# Altium PCB MainBoard.PcbDoc
Units mil, origin at the board's own origin, x right, y up, seen from the top; angles counter-clockwise.
Board outline 10491 x 7364.35 mil, 2 copper layers (Top Layer, Bottom Layer); 45 components, 90 nets, 435 pads, 0 vias.
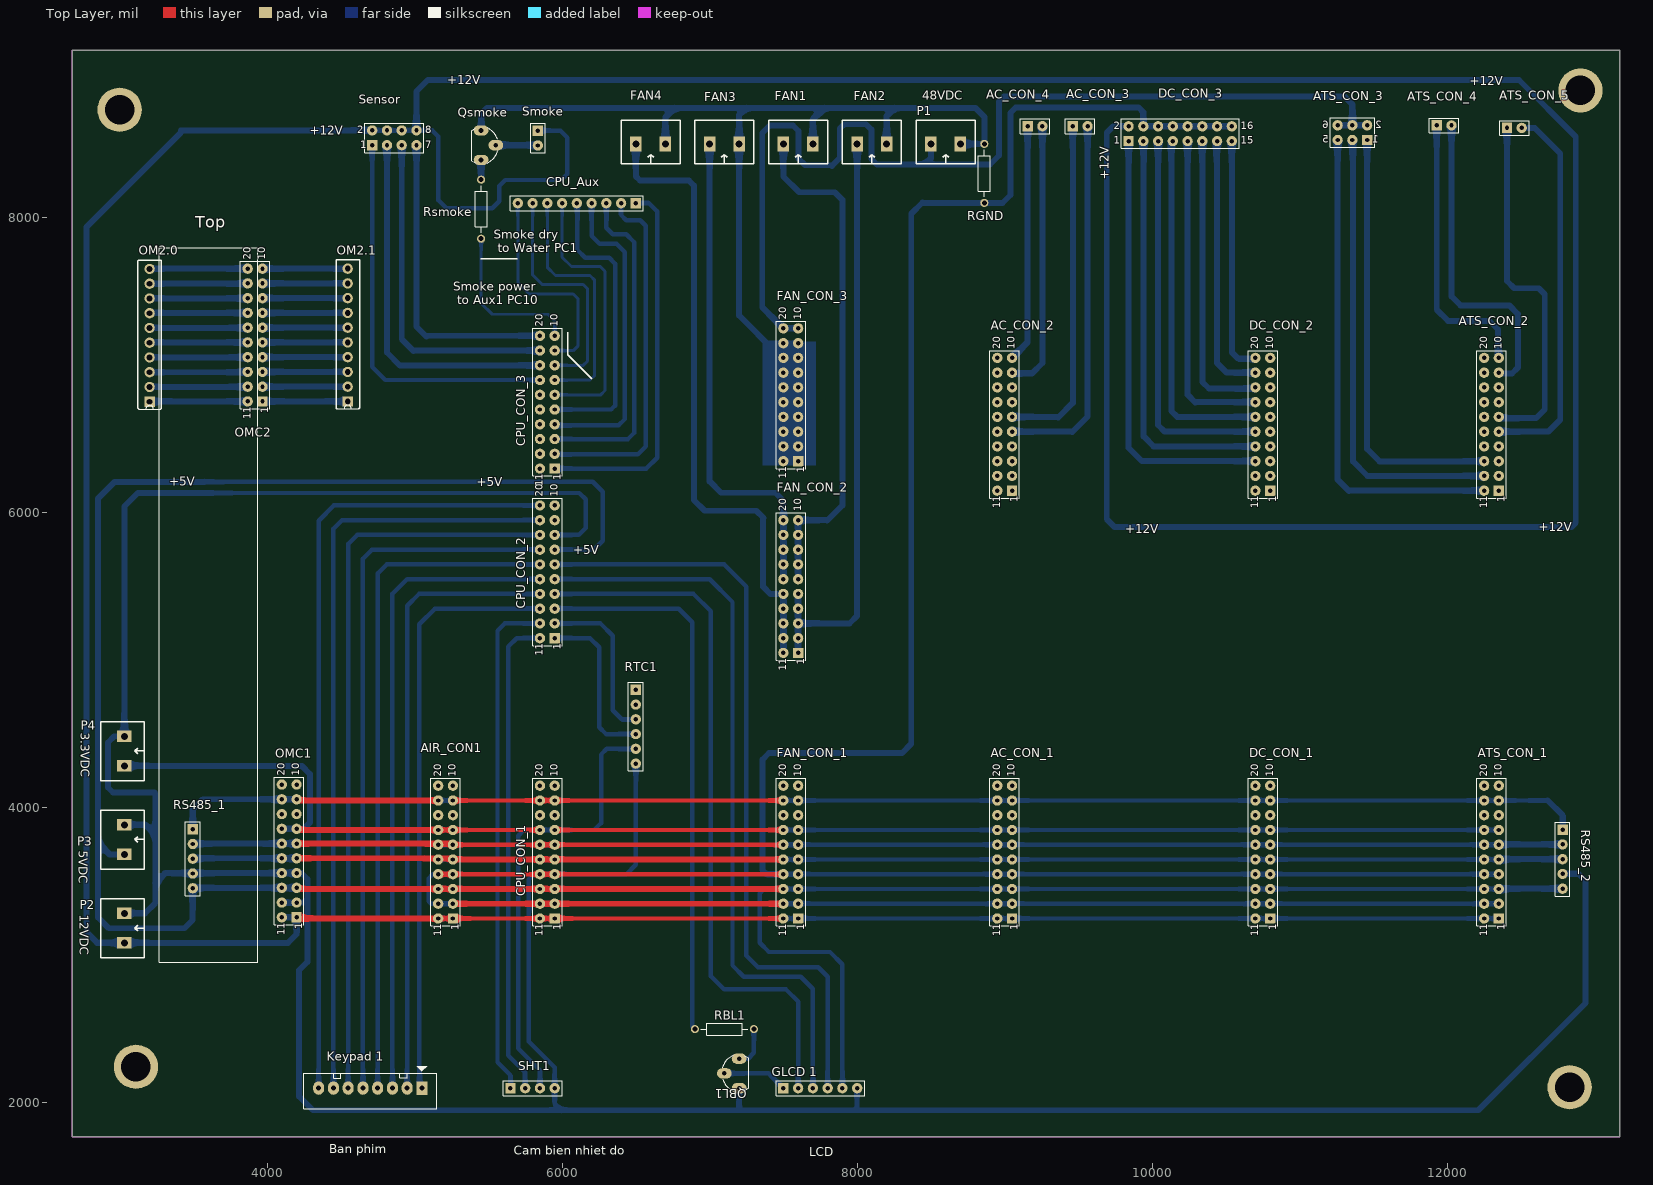
[diagram p0: Top Layer view]
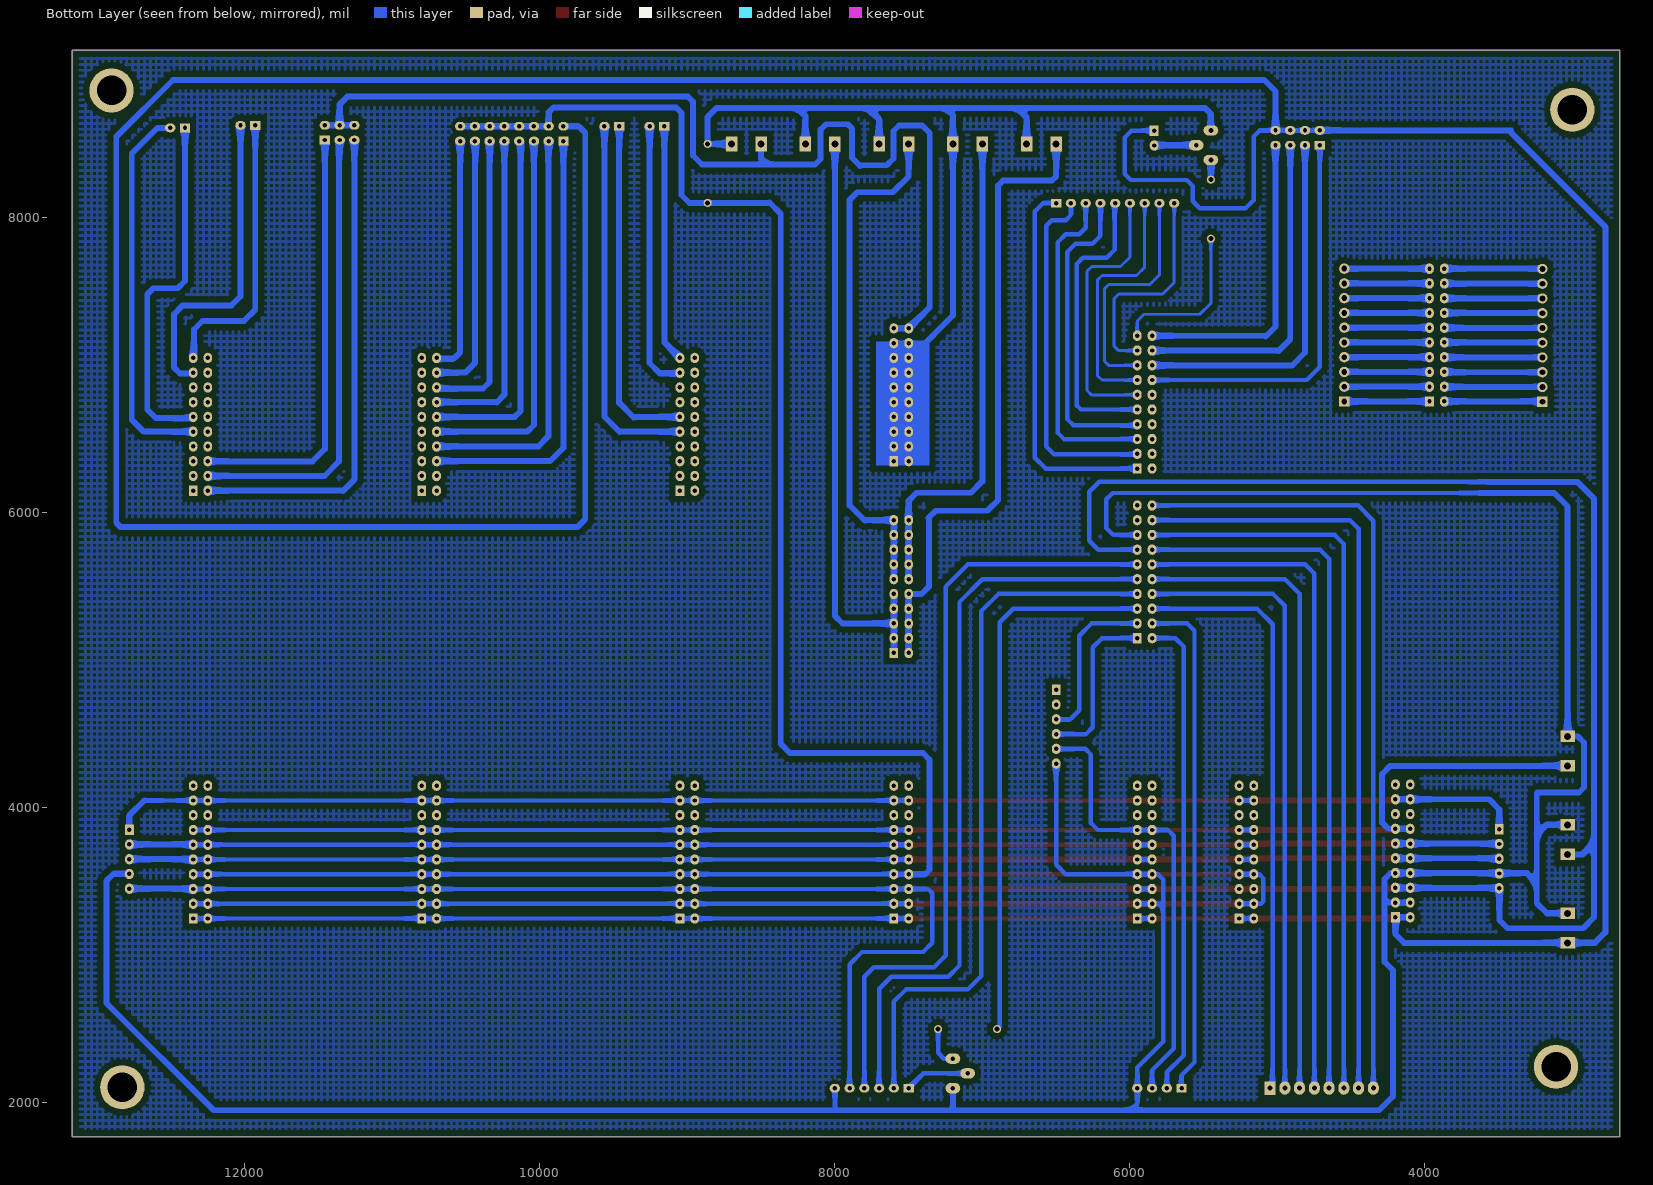
[diagram p1: Bottom Layer view, seen from below]

## Layer stack, top to bottom
Top Solder: solder mask 0.4, Solder Resist, Dk 3.5
Top Layer: signal copper 1.4
Dielectric 1: dielectric 12.6, FR-4, Dk 4.8
Bottom Layer: signal copper 1.4
Bottom Solder: solder mask 0.4, Solder Resist, Dk 3.5

## Board outline
2679,1771.65 13170,1771.65 13170,9136 2679,9136

## Design rules (kind name [scope] priority, off if disabled: settings)
Clearance Clearance_2 [All vs HasPad('FID*')] p1: gap=100
Clearance Clearance_7 [InNet('GND') vs InNet('VAC1')] p2: gap=120
Clearance Clearance_12 [InNet('VAC1') vs InNet('GND')] p3: gap=80
Clearance Clearance_11 [InNet('AGND') vs InNet('GND')] p4: gap=80
Clearance Clearance_8 [InNet('AGND') vs InNet('VAC1')] p5: gap=80
Clearance Clearance_4 [InNet('KDT4') vs (InPoly)] p6: gap=80
Clearance Clearance_5 [InNet('NetK6_2') vs (InPoly)] p7: gap=80
Clearance Clearance_6 [InNet('NetK6_3') vs (InPoly)] p8: gap=80
Clearance Clearance_3 [All vs HasFootprint('XPAD')] p9: gap=2
Clearance Clearance_1 [All vs (InPoly)] p10: gap=40
Clearance [All] p11: gap=10
ComponentClearance [All] p1 off: gap=10 collisioncheckmode=3 verticalgap=10 showdistances=FALSE
FabricationTestPointUsage TestPointUsage [All] p1: valid=0 allowmultiple=FALSE
FabricationTestpoint Testpoint [All] p1: side=3 testpointundercomponent=TRUE minsize=40 maxsize=100 preferedsize=60 minholesize=20 maxholesize=40 preferedholesize=32 testpointgrid=1 allowsidetop=TRUE allowsidebottom=TRUE usegrid=TRUE gridtolerance=0.01
HoleSize [All] p1: absolutevalues=TRUE maxlimit=1000 minlimit=0 maxpercent=80.000 minpercent=20.000
PasteMaskExpansion PasteMaskExpansion_1 [HasPad('FID*')] p1: expansion=-160
PasteMaskExpansion [All] p2: expansion=0
PolygonConnect [All] p1: connectstyle=Direct reliefconductorwidth=10 reliefentries=4 polygonreliefangle="90 Angle" airgapwidth=10
RoutingVias [All] p1: holewidth=28 width=50 viastyle="Through Hole" minholewidth=28 minwidth=50 maxholewidth=28 maxwidth=50
SolderMaskExpansion SolderMaskExpansion_1 [HasPad('FID*')] p1: expansion=40
SolderMaskExpansion [All] p2: expansion=4
Width [All] p1: maxlimit=40 minlimit=10 preferedwidth=20
25 further rules are at their usual default settings.

## Components (designator, comment, footprint, x,y, rotation, side; value= is the part's Value field where it differs from the comment)
AC_CON_1 "Header 10X2A" HDR2X10_CEN 9050,3250 r90 top
AC_CON_2 "Header 10X2A" HDR2X10_CEN 9050,6150 r90 top
AC_CON_3 "12VAC" HDR1X2 9462,8621 r0 top
AC_CON_4 "CT" HDR1X2 9156,8621 r0 top
AIR_CON1 "Header 10X2A" HDR2X10_CEN 5260,3250 r90 top
ATS_CON_1 "Header 10X2A" HDR2X10_CEN 12350,3250 r90 top
ATS_CON_2 "Header 10X2A" HDR2X10_CEN 12350,6150 r90 top
ATS_CON_3 "Header 3X2" HDR2X3 11457,8527 r180 top
ATS_CON_4 "CT" HDR1X2 11929,8626 r0 top
ATS_CON_5 "12VAC" HDR1X2 12405,8609 r0 top
CPU_Aux "Header 9" HDR1X9 6500,8099 r180 top
CPU_CON_1 "Header 10X2A" HDR2X10_CEN 5950,3250 r90 top
CPU_CON_2 "Header 10X2A" HDR2X10_CEN 5950,5150 r90 top
CPU_CON_3 "Header 10X2A" HDR2X10_CEN 5950,6300 r90 top
DC_CON_1 "Header 10X2A" HDR2X10_CEN 10800,3250 r90 top
DC_CON_2 "Header 10X2A" HDR2X10_CEN 10800,6150 r90 top
DC_CON_3 "Header 8X2" HDR2X8 9840,8520 r0 top
FAN1 "48VDC" "Medium - Header 2" 7600,8500 r180 top
FAN2 "48VDC" "Medium - Header 2" 8100,8500 r180 top
FAN3 "48VDC" "Medium - Header 2" 7100,8500 r180 top
FAN4 "48VDC" "Medium - Header 2" 6600,8500 r180 top
FAN_CON_1 "Header 10X2A" HDR2X10_CEN 7600,3250 r90 top
FAN_CON_2 "Header 10X2A" HDR2X10_CEN 7600,5050 r90 top
FAN_CON_3 "Header 10X2A" HDR2X10_CEN 7600,6350 r90 top
"GLCD 1" "Header 6" HDR1X6 7500,2100 r0 top
"Keypad 1" "JP8" CON8 5050,2100 r180 top
OM2.0 "JP10" CON10 3204,6753 r180 top (schematic designator OM2)
OM2.1 "JP10" CON10 4547,6755 r180 top (schematic designator OM1)
OMC1 "Header 10X2A" HDR2X10_CEN 4200,3258 r90 top
OMC2 "Header 10X2A" HDR2X10_CEN 3969,6755 r90 top locked
P1 "48VDC" "Medium - Header 2" 8600,8500 r180 top
P2 "12VDC" "Medium - Header 2" 3033,3185 r270 top
P3 "5VDC" "Medium - Header 2" 3033,3785 r270 top
P4 "3.3VDC" "Medium - Header 2" 3033,4385 r270 top
QBL1 "C828" QTO-92B 7200,2200 r90 top
Qsmoke "C828" QTO-92B 5451,8492 r270 top
RBL1 "Res" AXIAL-0.4 7100,2500 r0 top
RGND "Res" AXIAL-0.4 8862,8301 r270 top
RS485_1 "Header 5" HDR1X5 3497,3855 r270 top
RS485_2 "Header 5" HDR1X5 12782,3852 r270 top
Rsmoke "Res" AXIAL-0.4 5451,8058 r90 top
RTC1 "Header 6" HDR1X6 6500,4800 r270 top
Sensor "Header 4X2" HDR2X4 4713,8492 r0 top
SHT1 "Header 4" HDR1X4 5650,2100 r0 top
Smoke "12V" HDR1X2 5836,8590 r270 top

## Footprints (in the part's own frame and the unit in brackets; to place one, negate y for a bottom-side part, rotate by r counter-clockwise, add the part's x,y. Pads: shape width x height; smd on the part's side, far side on the other; paste and mask are expansions set on the pad)
AXIAL-0.4 [mm] "Axial Device, Thru-Hole; 2 Leads; 0.4 in Pin Spacing"
  round 1.4 hole 0.85: 1(-5.08,0) 2(5.08,0)
  silkscreen extent -4.06,-1.02 4.06,1.02
CON8 [mil] "CON8"
  rect 75x90 hole 34: 1(0,0)
  oval 75x90 hole 34: 2(100,0) 3(200,0) 4(300,0) 5(400,0) 6(500,0) 7(600,0) 8(700,0)
  silkscreen extent -100,-150 800,140
CON10 [mil]
  rect 70x70 hole 39.37 unplated: 1(0,0)
  round 70 hole 39.37 unplated: 2(0,-100) 3(0,-200) 4(0,-300) 5(0,-400) 6(0,-500) 7(0,-600) 8(0,-700) 9(0,-800) 10(0,-900)
  silkscreen extent -80,-960 79,50
HDR1X2 [mil] "Connector; Header; 2 Position"
  rect 70x70 / inner rect 70x70 / far side rect 70x59.06 hole 30: 1(0,0)
  round 70 / inner round 70 / far side oval 70x59.06 hole 30: 2(100,0)
  silkscreen extent -50,-50 150,50
HDR1X4 [mil] "Connector; Header; 4 Position"
  rect 70x70 / inner rect 70x70 / far side rect 70x59.06 hole 30: 1(0,0)
  round 70 / inner round 70 / far side oval 70x59.06 hole 30: 2(100,0) 3(200,0) 4(300,0)
  silkscreen extent -50,-50 350,50, body extent -50,-50 350,50, height 276
HDR1X5 [mil] "Connector; Header; 5 Position"
  rect 70x70 / inner rect 70x70 / far side rect 70x59.06 hole 30: 1(0,0)
  round 70 / inner round 70 / far side oval 70x59.06 hole 30: 2(100,0) 3(200,0) 4(300,0) 5(400,0)
  silkscreen extent -50,-50 450,50
HDR1X6 [mil] "Connector; Header; 6 Position"
  rect 70x70 / inner rect 70x70 / far side rect 70x59.06 hole 30: 1(0,0)
  round 70 / inner round 70 / far side oval 70x59.06 hole 30: 2(100,0) 3(200,0) 4(300,0) 5(400,0) 6(500,0)
  silkscreen extent -50,-50 550,50
HDR1X9 [mil] "Connector; Header; 9 Position"
  rect 70x70 / inner rect 70x70 / far side rect 70x59.06 hole 30: 1(0,0)
  round 70 / inner round 70 / far side oval 70x59.06 hole 30: 2(100,0) 3(200,0) 4(300,0) 5(400,0) 6(500,0) 7(600,0) 8(700,0) 9(800,0)
  silkscreen extent -50,-50 850,50
HDR2X3 [mil] "Connector; Header; 3x2 Position"
  rect 70x70 / inner rect 70x70 / far side rect 70x59.06 hole 30: 1(0,0)
  round 70 / inner round 70 / far side oval 70x59.06 hole 30: 2(0,-100) 3(100,0) 4(100,-100) 5(200,0) 6(200,-100)
  silkscreen extent -50,-150 250,50
HDR2X4 [mil] "Connector; Header; 4x2 Position"
  rect 70x70 / inner rect 70x70 / far side rect 70x59.06 hole 30: 1(0,0)
  round 70 / inner round 70 / far side oval 70x59.06 hole 30: 2(0,100) 3(100,0) 4(100,100) 5(200,0) 6(200,100) 7(300,0) 8(300,100)
  silkscreen extent -50,-50 350,150
HDR2X8 [mil] "Connector; Header; 8x2 Position"
  rect 70x70 / inner rect 70x70 / far side rect 70x59.06 hole 30: 1(0,0)
  round 70 / inner round 70 / far side oval 70x59.06 hole 30: 2(0,100) 3(100,0) 4(100,100) 5(200,0) 6(200,100) 7(300,0) 8(300,100) 9(400,0) 10(400,100) 11(500,0) 12(500,100) 13(600,0) 14(600,100) 15(700,0) 16(700,100)
  silkscreen extent -50,-50 750,150
HDR2X10_CEN [mil] "Connector; Header; 10x2 Position"
  rect 70x70 / inner rect 70x70 / far side rect 70x59.06 hole 30: 1(0,0)
  round 70 / inner round 70 / far side oval 70x59.06 hole 30: 2(100,0) 3(200,0) 4(300,0) 5(400,0) 6(500,0) 7(600,0) 8(700,0) 9(800,0) 10(900,0) 11(0,100) 12(100,100) 13(200,100) 14(300,100) 15(400,100) 16(500,100) 17(600,100) 18(700,100) 19(800,100) 20(900,100)
  silkscreen extent -50,-50 950,150
"Medium - Header 2" [mm]
  rect 2x2.5 hole 1.2: 1(-2.54,0) 2(2.54,0)
  silkscreen extent -5.08,-4.08 5.08,3.43, body extent -5,-4.07 5,3.43, height 10
QTO-92B [mil] "TO-92"
  oval 70x100 hole 32: 1(-100,0) 2(0,100) 3(100,0)
  silkscreen extent -117,-65 121,114

## Part data
AC_CON_1 AC_CON_2 AIR_CON1 ATS_CON_1 ATS_CON_2 CPU_CON_1 CPU_CON_2 CPU_CON_3 DC_CON_1 DC_CON_2 FAN_CON_1 FAN_CON_2 FAN_CON_3 OMC1 OMC2: "Header, 10-Pin, Dual row"
AC_CON_3 AC_CON_4 ATS_CON_4 ATS_CON_5 Smoke: library part "Header 2", "Header, 2-Pin"
ATS_CON_3: "Header, 3-Pin, Dual row"
CPU_Aux: "Header, 9-Pin"
DC_CON_3: "Header, 8-Pin, Dual row"
FAN1 FAN2 FAN3 FAN4 P1 P2 P3 P4: library part "Header 2 - M", "Header, 2-Pin, Medium"
"GLCD 1" RTC1: "Header, 6-Pin"
"Keypad 1": library part Con8, "Connector 8"
OM2.0 OM2.1: library part Con10, "Connector 10"
QBL1 Qsmoke: library part NPN, "Transistor C828 C1815...."
RS485_1 RS485_2: "Header, 5-Pin"
Sensor: "Header, 4-Pin, Dual row"
SHT1: "Header, 4-Pin"

## Free pads (board coordinates)
  round 300 hole 200: 0(3001,8732) 0(3111,2245) 0(12830,2106) 0(12903,8863)

## Nets (pads, with @x,y where several pads share a name; then routed paths per layer and width w, separated by ;. In a path a pad name is that pad's centre, name@x,y a point inside that pad or via, vN(x,y) a via of type N, cw(c..) or ccw(c..) an arc to the next point about the centre after c; other vN are vias at no path point)
+3V3: AC_CON_1.7 AC_CON_1.17 AIR_CON1.7 AIR_CON1.17 ATS_CON_1.7 ATS_CON_1.17 CPU_CON_1.7 CPU_CON_1.17 DC_CON_1.7 DC_CON_1.17 FAN_CON_1.7 FAN_CON_1.17 OMC1.7 OMC1.17 P4.2 RTC1.5 SHT1.3 | length 13055.2
  Top Layer w30: AIR_CON1.17 AIR_CON1.7 CPU_CON_1.17 ; CPU_CON_1.7 FAN_CON_1.17
  Top Layer w40: OMC1.7 4208,3850 AIR_CON1.17
  Bottom Layer w30: AIR_CON1.17 AIR_CON1.7 ; SHT1.3 5850,2222 5703,2369 5703,3811 5742,3850 CPU_CON_1.17 CPU_CON_1.7 6217,3850 6264,3897 6264,4361 6303,4400 RTC1.5 ; FAN_CON_1.17 FAN_CON_1.7 AC_CON_1.17 AC_CON_1.7 DC_CON_1.17 DC_CON_1.7 ATS_CON_1.17 ATS_CON_1.7
  Bottom Layer w40: P4.2 4235,4285 4290,4230 4290,3900 4248,3858 OMC1.7 OMC1.17
+5V_IN: "GLCD 1.5" AC_CON_1.3 AC_CON_1.13 AIR_CON1.3 AIR_CON1.13 ATS_CON_1.3 ATS_CON_1.13 CPU_CON_1.3 CPU_CON_1.13 CPU_CON_2.7 DC_CON_1.3 DC_CON_1.13 FAN_CON_1.3 FAN_CON_1.13 OMC1.3 OMC1.13 P3.2 RS485_1.5 RS485_2.5 | length 19504.4
  Top Layer w30: FAN_CON_1.13@7495,3455 FAN_CON_1.13
  Top Layer w40: OMC1.3 4208,3450 AIR_CON1.13 AIR_CON1.3 CPU_CON_1.13 CPU_CON_1.3 FAN_CON_1.13
  Bottom Layer w30: 3577,6210 6208,6210 6275,6143 6275,5811 6214,5750 CPU_CON_2.7 ; CPU_CON_1.13 CPU_CON_1.3 ; 7900,2100 7900,2939 7816,3023 7402,3023 7340,3085 7340,3421 7369,3450 FAN_CON_1.13 FAN_CON_1.3 AC_CON_1.13 AC_CON_1.3 DC_CON_1.13 DC_CON_1.3 ATS_CON_1.13 ATS_CON_1.3
  Bottom Layer w40: P3.2 2932,3685 2855,3762 ; 3577,6210 2967,6210 2855,6098 2855,3762 ; OMC1.3 3496,3458 3496,3240 3440,3184 2928,3184 2855,3257 2855,3762 ; ATS_CON_1.3 12352,3452 RS485_2.5
+12V_IN: AC_CON_1.1 AC_CON_1.11 AIR_CON1.1 AIR_CON1.11 ATS_CON_1.1 ATS_CON_1.11 CPU_CON_1.1 CPU_CON_1.11 DC_CON_1.1 DC_CON_1.11 DC_CON_3.2 FAN_CON_1.1 FAN_CON_1.11 OMC1.1 OMC1.11 P2.2 Sensor.2 Sensor.4 Sensor.6 Sensor.8 Smoke.1 | length 36388.1
  Top Layer w30: AIR_CON1.11 AIR_CON1.1 CPU_CON_1.11 CPU_CON_1.1 FAN_CON_1.11
  Top Layer w40: OMC1.1 4208,3250 AIR_CON1.11
  Bottom Layer w30: Sensor.2 Sensor.4 Sensor.6 Sensor.8 5120,8592 5161,8551 5161,8120 5216,8065 5527,8065 5574,8112 5574,8215 5615,8256 5994,8256 6036,8298 6036,8543 5989,8590 Smoke.1 ; AIR_CON1.11 AIR_CON1.1 ; CPU_CON_1.11 CPU_CON_1.1 ; FAN_CON_1.11 FAN_CON_1.1 AC_CON_1.11 AC_CON_1.1 DC_CON_1.11 DC_CON_1.1 ATS_CON_1.11 ATS_CON_1.1
  Bottom Layer w40: OMC1.11 OMC1.1 4200,3143 4142,3085 P2.2 2848,3085 2777,3156 2777,7938 3415,8576 3415,8592 Sensor.2 ; Sensor.8 5013,8857 5090,8934 12486,8934 12871,8549 12871,5933 12841,5903 9746,5903 9692,5957 9692,8577 9735,8620 DC_CON_3.2
+48V_IN: ATS_CON_3.2 ATS_CON_3.4 ATS_CON_3.6 FAN_CON_3.10 FAN_CON_3.20 P1.2 | length 7113.7
  Bottom Layer w40: FAN_CON_3.10 FAN_CON_3.20 7357,7393 7357,8574 7408,8625 7565,8625 7602,8588 7602,8402 7648,8356 7825,8356 7829,8352 7884,8407 7884,8606 7912,8634 8060,8634 8097,8597 8097,8398 8134,8361 8458,8361 ; P1.2 8500,8403 8458,8361 ; ATS_CON_3.6 ATS_CON_3.4 ; ATS_CON_3.2 ATS_CON_3.4 ; 8458,8361 8901,8361 8962,8422 8962,8787 8996,8821 11305,8821 11357,8769 ATS_CON_3.4
AUX1: CPU_Aux.9 CPU_CON_3.9 | length 1482.9
  Bottom Layer w20: CPU_Aux.9 5700,7561 5778,7483 6075,7483 6109,7449 6109,7133 6075,7099 6074,7100 CPU_CON_3.9
AUX2: CPU_Aux.8 CPU_CON_3.8 | length 1623.2
  Bottom Layer w20: CPU_Aux.8 5800,7613 5865,7548 6143,7548 6174,7517 6172,7515 6172,7028 6144,7000 CPU_CON_3.8
AUX3: CPU_Aux.7 CPU_CON_3.7 | length 1721.9
  Bottom Layer w20: CPU_Aux.7 5900,7664 5956,7608 6190,7608 6221,7577 6221,6931 6190,6900 CPU_CON_3.7
AUX4: CPU_Aux.6 CPU_CON_3.6 | length 1857.8
  Bottom Layer w20: CPU_CON_3.6 6262,6800 6291,6829 6291,7637 6259,7669 6064,7669 6000,7733 CPU_Aux.6
AUX5: CPU_Aux.5 CPU_CON_3.5 | length 1994.4
  Bottom Layer w30: CPU_CON_3.5 6332,6700 6359,6727 6359,7689 6319,7729 6157,7729 6104,7782 6104,8095 CPU_Aux.5
AUX6: CPU_Aux.4 CPU_CON_3.4 | length 2120.7
  Bottom Layer w30: CPU_CON_3.4 5957,6593 6383,6593 6426,6636 6426,7767 6369,7824 6254,7824 6200,7878 CPU_Aux.4
AUX7: CPU_Aux.3 CPU_CON_3.3 | length 2244.2
  Bottom Layer w30: CPU_CON_3.3 6447,6500 6488,6541 6488,7835 6434,7889 6343,7889 6300,7932 CPU_Aux.3
AUX8: CPU_Aux.2 CPU_CON_3.2 | length 2415.7
  Bottom Layer w30: CPU_CON_3.2 5954,6396 6514,6396 6568,6450 6568,7945 6529,7984 6435,7984 6400,8019 CPU_Aux.2
AUX9: CPU_Aux.1 CPU_CON_3.1 | length 2562.8
  Bottom Layer w30: CPU_CON_3.1 6571,6300 6645,6374 6645,8043 6589,8099 CPU_Aux.1
CF: AC_CON_2.4
COLUM1: "Keypad 1.5" CPU_CON_2.17 | length 4814.3
  Bottom Layer w30: 4650,2100 4650,5689 4711,5750 CPU_CON_2.17
COLUM2: "Keypad 1.6" CPU_CON_2.18 | length 5014.3
  Bottom Layer w30: 4550,2100 4550,5789 4611,5850 CPU_CON_2.18
COLUM3: "Keypad 1.7" CPU_CON_2.19 | length 5216
  Bottom Layer w30: 4450,2100 4450,5892 4508,5950 CPU_CON_2.19
COLUM4: "Keypad 1.8" CPU_CON_2.20 | length 5389.7
  Bottom Layer w30: 4350,2100 4350,5947 4453,6050 CPU_CON_2.20
COM1: OM2.0.6 OMC2.16 | length 665.8
  Bottom Layer w40: OM2.0.6 3867,7253 OMC2.16
COM2: OM2.0.7 OMC2.17 | length 665.8
  Bottom Layer w40: OM2.0.7 3206,7355 OMC2.17
COM3: OM2.0.8 OMC2.18 | length 665.8
  Bottom Layer w40: OM2.0.8 3867,7453 OMC2.18
COM4: OM2.0.9 OMC2.19 | length 665.8
  Bottom Layer w40: OM2.0.9 3867,7553 OMC2.19
COM5: OM2.0.10 OMC2.20 | length 665.8
  Bottom Layer w40: OM2.0.10 3206,7655 OMC2.20
COM6: OM2.0.1 OMC2.11 | length 665.8
  Bottom Layer w40: OM2.0.1 3206,6755 OMC2.11
COM7: OM2.0.2 OMC2.12 | length 665.8
  Bottom Layer w40: OM2.0.2 3867,6853 OMC2.12
COM8: OM2.0.3 OMC2.13 | length 665.8
  Bottom Layer w40: OM2.0.3 3867,6953 OMC2.13
COM9: OM2.0.4 OMC2.14 | length 665.8
  Bottom Layer w40: OM2.0.4 3867,7053 OMC2.14
COM10: OM2.0.5 OMC2.15 | length 665.8
  Bottom Layer w40: OM2.0.5 3206,7155 OMC2.15
CTA: AC_CON_2.10 AC_CON_4.1 | length 1614.9
  Bottom Layer w40: AC_CON_2.10 9156,7156 AC_CON_4.1
CTB: AC_CON_2.9 AC_CON_4.2 | length 1843.1
  Bottom Layer w40: AC_CON_2.9 9055,6945 9186,6945 9256,7015 AC_CON_4.2
DC0: DC_CON_2.20 DC_CON_3.15 | length 1612.7
  Bottom Layer w40: DC_CON_3.15 10540,7088 10584,7044 10694,7044 DC_CON_2.20
DC1: DC_CON_2.19 DC_CON_3.13 | length 1793.6
  Bottom Layer w40: DC_CON_3.13 10438,8518 10438,7017 10505,6950 DC_CON_2.19
DC2: DC_CON_2.18 DC_CON_3.11 | length 2015
  Bottom Layer w40: DC_CON_3.11 10340,6887 10385,6842 10692,6842 DC_CON_2.18
DC3: DC_CON_2.17 DC_CON_3.9 | length 2202.4
  Bottom Layer w40: DC_CON_3.9 10240,6800 10292,6748 10294,6750 DC_CON_2.17
DC4: DC_CON_2.16 DC_CON_3.7 | length 2420.7
  Bottom Layer w40: DC_CON_3.7 10130,8510 10130,6690 10170,6650 DC_CON_2.16
DC5: DC_CON_2.15 DC_CON_3.5 | length 2603.6
  Bottom Layer w40: DC_CON_3.5 10040,6595 10085,6550 DC_CON_2.15
DC6: DC_CON_2.14 DC_CON_3.3 | length 2789
  Bottom Layer w40: DC_CON_3.3 9942,8518 9942,6518 10010,6450 DC_CON_2.14
FAN1_OUT: FAN1.2 FAN_CON_2.6 FAN_CON_2.7 FAN_CON_2.8 FAN_CON_2.9 FAN_CON_2.10 | length 3502.2
  Bottom Layer w40: FAN1.2 7500,8280 7607,8173 7849,8173 7900,8122 7900,6050 7796,5946 7792,5950 FAN_CON_2.10 FAN_CON_2.9 FAN_CON_2.8 FAN_CON_2.7 FAN_CON_2.6
FAN2_OUT: FAN2.2 FAN_CON_2.1 FAN_CON_2.2 FAN_CON_2.3 FAN_CON_2.4 FAN_CON_2.5 | length 4019.5
  Bottom Layer w40: FAN_CON_2.1 FAN_CON_2.2 FAN_CON_2.3 ; FAN_CON_2.5 FAN_CON_2.4 FAN_CON_2.3 ; FAN2.2 8000,5302 7948,5250 FAN_CON_2.3
FAN3_OUT: FAN3.2 FAN_CON_2.16 FAN_CON_2.17 FAN_CON_2.18 FAN_CON_2.19 FAN_CON_2.20 | length 3373.3
  Bottom Layer w40: FAN3.2 7000,6213 7077,6136 7446,6136 7500,6082 FAN_CON_2.20 FAN_CON_2.19 FAN_CON_2.18 FAN_CON_2.17 FAN_CON_2.16
FAN4_OUT: FAN4.2 FAN_CON_2.11 FAN_CON_2.12 FAN_CON_2.13 FAN_CON_2.14 FAN_CON_2.15 | length 4317.8
  Bottom Layer w40: FAN4.2 6500,8281 6528,8253 6859,8253 6894,8218 6894,6086 6966,6014 7317,6014 7366,5965 7363,5962 7363,5499 7412,5450 FAN_CON_2.15 FAN_CON_2.14 FAN_CON_2.13 FAN_CON_2.12 FAN_CON_2.11
GATEA: CPU_CON_3.20 Sensor.7 | length 2096.8
  Bottom Layer w40: Sensor.7 5013,7262 5080,7195 5085,7200 CPU_CON_3.20
GCF: ATS_CON_2.4
GCTA: ATS_CON_2.10 ATS_CON_4.1 | length 1914.4
  Bottom Layer w40: ATS_CON_4.1 11929,7377 12006,7300 12286,7300 12344,7242 12344,7056 ATS_CON_2.10
GCTB: ATS_CON_2.9 ATS_CON_4.2 | length 2170.3
  Bottom Layer w40: ATS_CON_4.2 12029,7467 12090,7406 12421,7406 12479,7348 12479,6984 12439,6944 12356,6944 ATS_CON_2.9
GLCD_BL: CPU_CON_2.3 RBL1.1 | length 3736.1
  Bottom Layer w30: CPU_CON_2.3 6791,5350 6883,5258 6883,2517 RBL1.1
GLCD_EN: "GLCD 1.2" CPU_CON_2.4 | length 4830.1
  Bottom Layer w30: CPU_CON_2.4 6891,5450 7009,5332 7009,2859 7099,2769 7518,2769 7600,2687 7600,2100
GLCD_RS: "GLCD 1.4" CPU_CON_2.6 | length 5228.4
  Bottom Layer w30: CPU_CON_2.6 7099,5650 7249,5500 7249,2999 7328,2920 7736,2920 7800,2856 7800,2100
GLCD_RW: "GLCD 1.3" CPU_CON_2.5 | length 5016.6
  Bottom Layer w30: CPU_CON_2.5 7000,5550 7155,5395 7155,2932 7231,2856 7618,2856 7700,2774 7700,2100
GLIVE_IN: ATS_CON_2.5 ATS_CON_5.2 | length 2587.2
  Bottom Layer w40: ATS_CON_2.5 12685,6550 12766,6631 12766,8436 12593,8609 ATS_CON_5.2
GND: "GLCD 1.6" AC_CON_1.2 AC_CON_1.4 AC_CON_1.12 AC_CON_1.14 AIR_CON1.2 AIR_CON1.4 AIR_CON1.12 AIR_CON1.14 ATS_CON_1.2 ATS_CON_1.4 ATS_CON_1.12 ATS_CON_1.14 CPU_CON_1.2 CPU_CON_1.4 CPU_CON_1.12 CPU_CON_1.14 CPU_CON_2.8 DC_CON_1.2 DC_CON_1.4 DC_CON_1.12 DC_CON_1.14 DC_CON_3.4 DC_CON_3.6 DC_CON_3.8 DC_CON_3.10 DC_CON_3.12 DC_CON_3.14 DC_CON_3.16 FAN_CON_1.2 FAN_CON_1.4 FAN_CON_1.12 FAN_CON_1.14 OMC1.2 OMC1.4 OMC1.12 OMC1.14 P2.1 P3.1 P4.1 QBL1.1 RGND.2 RS485_1.4 RS485_2.4 RTC1.6 SHT1.4 | length 46819.6
  Top Layer w30: AIR_CON1.14 AIR_CON1.4 CPU_CON_1.14 CPU_CON_1.4 FAN_CON_1.14
  Top Layer w40: AIR_CON1.2 CPU_CON_1.12 CPU_CON_1.2 FAN_CON_1.12
  Bottom Layer w30: 3634,6134 6117,6134 6160,6091 6160,5897 6113,5850 CPU_CON_2.8 ; AIR_CON1.2 AIR_CON1.12 5112,3350 5095,3367 5095,3521 5124,3550 AIR_CON1.14 AIR_CON1.4 ; CPU_CON_1.2 CPU_CON_1.12 5804,3350 5774,3320 ; 5994,1950 5950,1994 SHT1.4 5950,2240 5774,2416 5774,3320 ; RTC1.6 6500,3614 6436,3550 CPU_CON_1.4 CPU_CON_1.14 5809,3550 5774,3515 5774,3320 ; 7200,1950 QBL1.1 ; FAN_CON_1.12 FAN_CON_1.2 AC_CON_1.12 AC_CON_1.2 DC_CON_1.12 DC_CON_1.2 ATS_CON_1.12 ATS_CON_1.2 ; FAN_CON_1.14 FAN_CON_1.4 AC_CON_1.14 AC_CON_1.4 DC_CON_1.14 DC_CON_1.4 ATS_CON_1.14 ATS_CON_1.4 ; 7979,1950 8000,1971 8000,2100
  Bottom Layer w40: P2.1 3173,3285 3242,3354 3242,3488 ; P3.1 3178,3885 3242,3821 ; 3634,6134 3124,6134 3033,6043 P4.1 2964,4485 2922,4443 2922,4138 2956,4104 3236,4104 3242,4098 3242,3821 ; OMC1.12 OMC1.2 4249,3358 4273,3382 ; FAN_CON_1.14 7387,3550 7358,3579 7358,4327 7403,4372 8305,4372 8367,4434 8367,8028 8443,8104 8447,8100 8985,8100 9039,8154 9039,8711 9075,8747 9908,8747 9940,8715 DC_CON_3.4 DC_CON_3.6 DC_CON_3.8 DC_CON_3.10 DC_CON_3.12 DC_CON_3.14 DC_CON_3.16 ; RS485_2.4 12891,3552 12938,3505 12938,2677 12211,1950 7979,1950 7200,1950 5994,1950 4311,1950 4217,2044 4217,2899 4273,2955 4273,3382 ; 3242,3488 3312,3558 OMC1.4 4233,3558 4273,3518 4273,3382 ; 3242,3488 3242,3821
GNEUTRAL_IN: ATS_CON_2.6 ATS_CON_5.1 | length 2451.2
  Bottom Layer w40: ATS_CON_2.6 12358,6642 12603,6642 12661,6700 12661,7482 12621,7522 12454,7522 12405,7571 ATS_CON_5.1
I2C_SCL: CPU_CON_2.2 RTC1.3 | length 1115.6
  Bottom Layer w30: CPU_CON_2.2 6260,5250 6343,5167 6343,4661 6404,4600 RTC1.3
I2C_SDA: CPU_CON_2.1 RTC1.4 | length 1136.1
  Bottom Layer w30: CPU_CON_2.1 6189,5150 6251,5088 6251,4547 6298,4500 RTC1.4
IDC: AC_CON_1.9 AC_CON_1.19 AIR_CON1.9 AIR_CON1.19 ATS_CON_1.9 ATS_CON_1.19 CPU_CON_1.9 CPU_CON_1.19 DC_CON_1.9 DC_CON_1.19 FAN_CON_1.9 FAN_CON_1.19 OMC1.9 OMC1.19 RS485_1.1 RS485_2.1 | length 9588.8
  Top Layer w30: AIR_CON1.19@5155,4055 AIR_CON1.19 ; AIR_CON1.9 CPU_CON_1.19 CPU_CON_1.9 FAN_CON_1.19
  Top Layer w40: OMC1.9 4208,4050 AIR_CON1.19
  Bottom Layer w30: AIR_CON1.19 AIR_CON1.9 ; FAN_CON_1.19 FAN_CON_1.9 AC_CON_1.19 AC_CON_1.9 DC_CON_1.19 DC_CON_1.9 ATS_CON_1.19 ATS_CON_1.9 12681,4050
  Bottom Layer w40: RS485_1.1@3496,3864 3496,3989 3565,4058 OMC1.19 OMC1.9 ; 12681,4050 12782,3949 RS485_2.1
IRA+: AIR_CON1.10
IRB+: AIR_CON1.20
LIVE_IN: AC_CON_2.5 AC_CON_3.2 | length 2524.9
  Bottom Layer w40: AC_CON_2.5 9456,6550 9458,6548 9562,6652 AC_CON_3.2
NC1: OM2.1.6 OMC2.6 | length 578
  Bottom Layer w40: OMC2.6 OM2.1.6
"NetGLCD 1_1": "GLCD 1.1" QBL1.2 | length 441.4
  Bottom Layer w30: QBL1.2 7400,2200 7500,2100
NetQBL1_1: QBL1.3 RBL1.2 | length 277.2
  Bottom Layer w30: QBL1.3 7261,2300 7300,2339 RBL1.2
NetQsmoke_1: Qsmoke.3 Rsmoke.2 | length 134
  Bottom Layer w40: Rsmoke.2 Qsmoke.3
NetQsmoke_2: Qsmoke.2 Smoke.2 | length 285.8
  Bottom Layer w40: Qsmoke.2 5834,8492 Smoke.2
NEUTRAL_IN: AC_CON_2.6 AC_CON_3.1 | length 2330.7
  Bottom Layer w40: AC_CON_2.6 9359,6650 9363,6646 9462,6745 AC_CON_3.1
NO2: OM2.1.7 OMC2.7 | length 578
  Bottom Layer w40: OMC2.7 OM2.1.7
NO3: OM2.1.8 OMC2.8 | length 578
  Bottom Layer w40: OMC2.8 OM2.1.8
NO4: OM2.1.9 OMC2.9 | length 578
  Bottom Layer w40: OMC2.9 OM2.1.9
NO5: OM2.1.10 OMC2.10 | length 578
  Bottom Layer w40: OMC2.10 OM2.1.10
NO6: OM2.1.1 OMC2.1 | length 578
  Bottom Layer w40: OMC2.1 OM2.1.1
NO7: OM2.1.2 OMC2.2 | length 578
  Bottom Layer w40: OMC2.2 OM2.1.2
NO8: OM2.1.3 OMC2.3 | length 578
  Bottom Layer w40: OMC2.3 OM2.1.3
NO9: OM2.1.4 OMC2.4 | length 578
  Bottom Layer w40: OMC2.4 OM2.1.4
NO10: OM2.1.5 OMC2.5 | length 578
  Bottom Layer w40: OMC2.5 OM2.1.5
OC_GC: ATS_CON_2.12 ATS_CON_3.3 | length 3109.7
  Bottom Layer w40: ATS_CON_3.3 11361,8523 11361,6349 11460,6250 ATS_CON_2.12
OC_MC: ATS_CON_2.13 ATS_CON_3.1 | length 2922.2
  Bottom Layer w40: ATS_CON_3.1 11457,6433 11541,6349 12249,6349 ATS_CON_2.13
OC_SC: ATS_CON_2.11 ATS_CON_3.5 | length 3343.9
  Bottom Layer w40: ATS_CON_3.5 11257,6225 11333,6149 11334,6150 ATS_CON_2.11 ATS_CON_2.11@12238,6162
PGND: FAN1.1 FAN2.1 FAN3.1 FAN4.1 FAN_CON_3.1 FAN_CON_3.2 FAN_CON_3.3 FAN_CON_3.4 FAN_CON_3.5 FAN_CON_3.6 FAN_CON_3.7 FAN_CON_3.8 FAN_CON_3.9 FAN_CON_3.11 FAN_CON_3.12 FAN_CON_3.13 FAN_CON_3.14 FAN_CON_3.15 FAN_CON_3.16 FAN_CON_3.17 FAN_CON_3.18 FAN_CON_3.19 P1.1 Qsmoke.1 RGND.1 | length 8316.6
  Bottom Layer w30: 7390,7150 FAN_CON_3.19 FAN_CON_3.9 FAN_CON_3.8 FAN_CON_3.7 FAN_CON_3.6 FAN_CON_3.5 FAN_CON_3.4 FAN_CON_3.3 FAN_CON_3.2 FAN_CON_3.1 FAN_CON_3.11 FAN_CON_3.12 FAN_CON_3.13 FAN_CON_3.14 FAN_CON_3.15 FAN_CON_3.16 FAN_CON_3.17 FAN_CON_3.18
  Bottom Layer w40: Qsmoke.1 5451,8704 5492,8745 6763,8745 ; FAN4.1 6700,8682 6763,8745 ; 7449,7088 7200,7337 FAN3.1 7200,8697 7248,8745 ; FAN1.1 7700,8668 7777,8745 ; FAN2.1 8200,8691 8254,8745 ; P1.1 8862,8500 8862,8684 8801,8745 8254,8745 ; 6763,8745 7248,8745 ; 7248,8745 7777,8745 ; 7777,8745 8254,8745
"PIR A": CPU_CON_3.17 Sensor.1 | length 2676.9
  Bottom Layer w30: Sensor.1 4713,6989 4802,6900 CPU_CON_3.17
ROW1: "Keypad 1.1" CPU_CON_2.13 | length 4013.4
  Bottom Layer w30: 5050,2100 5032,2118 5032,5244 5138,5350 CPU_CON_2.13
ROW2: "Keypad 1.2" CPU_CON_2.14 | length 4203.1
  Bottom Layer w30: 4950,2100 4950,5370 5030,5450 CPU_CON_2.14
ROW3: "Keypad 1.3" CPU_CON_2.15 | length 4392
  Bottom Layer w30: 4850,2100 4850,5451 4949,5550 CPU_CON_2.15
ROW4: "Keypad 1.4" CPU_CON_2.16 | length 4614.3
  Bottom Layer w30: 4750,2100 4750,5589 4811,5650 CPU_CON_2.16
RS485A: AC_CON_1.5 AC_CON_1.15 AIR_CON1.5 AIR_CON1.15 ATS_CON_1.5 ATS_CON_1.15 CPU_CON_1.5 CPU_CON_1.15 DC_CON_1.5 DC_CON_1.15 FAN_CON_1.5 FAN_CON_1.15 OMC1.5 OMC1.15 RS485_1.3 RS485_2.3 | length 9499.7
  Top Layer w30: FAN_CON_1.15@7495,3655 FAN_CON_1.15
  Top Layer w40: OMC1.5 5252,3658 AIR_CON1.5 CPU_CON_1.15 CPU_CON_1.5 FAN_CON_1.15
  Bottom Layer w30: AIR_CON1.15 AIR_CON1.5 ; CPU_CON_1.15 CPU_CON_1.5 ; FAN_CON_1.15 FAN_CON_1.5 AC_CON_1.15 AC_CON_1.5 DC_CON_1.15 DC_CON_1.5 ATS_CON_1.15 ATS_CON_1.5
  Bottom Layer w40: RS485_1.3@3496,3664 3502,3658 OMC1.5 ; ATS_CON_1.5 12352,3652 RS485_2.3
RS485B: AC_CON_1.6 AC_CON_1.16 AIR_CON1.6 AIR_CON1.16 ATS_CON_1.6 ATS_CON_1.16 CPU_CON_1.6 CPU_CON_1.16 DC_CON_1.6 DC_CON_1.16 FAN_CON_1.6 FAN_CON_1.16 OMC1.6 OMC1.16 RS485_1.2 RS485_2.2 | length 9492.6
  Top Layer w30: AIR_CON1.6 CPU_CON_1.16 CPU_CON_1.6 FAN_CON_1.16
  Top Layer w40: OMC1.6 5252,3758 AIR_CON1.6
  Bottom Layer w30: AIR_CON1.16 AIR_CON1.6 ; CPU_CON_1.16 CPU_CON_1.6 ; FAN_CON_1.16 FAN_CON_1.6 AC_CON_1.16 AC_CON_1.6 DC_CON_1.16 DC_CON_1.6 ATS_CON_1.16 ATS_CON_1.6
  Bottom Layer w40: RS485_1.2@3496,3764 3502,3758 OMC1.6 ; ATS_CON_1.6 12352,3752 RS485_2.2
SHT_SCL: CPU_CON_2.11 SHT1.2 | length 3279.2
  Bottom Layer w30: SHT1.2 5750,2207 5635,2322 5635,5093 5692,5150 CPU_CON_2.11
SHT_SDA: CPU_CON_2.12 SHT1.1 | length 3445.2
  Bottom Layer w30: SHT1.1 5650,2187 5562,2275 5562,5200 5612,5250 CPU_CON_2.12
"SMOKE A": CPU_CON_3.19 Sensor.5 | length 2285.6
  Bottom Layer w40: Sensor.5 4913,7177 4992,7098 4994,7100 CPU_CON_3.19
"SMOKE POWER": CPU_CON_3.10 Rsmoke.1 | length 1086.1
  Bottom Layer w20: Rsmoke.1 5451,7421 5526,7346 5904,7346 5950,7300 CPU_CON_3.10
TEMP-: DC_CON_2.13 DC_CON_3.1 | length 2976.7
  Bottom Layer w40: DC_CON_3.1 9840,6441 9931,6350 DC_CON_2.13
"WATER A": CPU_CON_3.18 Sensor.3 | length 2479.5
  Bottom Layer w40: Sensor.3 4813,7086 4900,6999 5849,6999 CPU_CON_3.18
pads on no net: AC_CON_1.8 AC_CON_1.10 AC_CON_1.18 AC_CON_1.20 AC_CON_2.1 AC_CON_2.2 AC_CON_2.3 AC_CON_2.7 AC_CON_2.8 AC_CON_2.11 AC_CON_2.12 AC_CON_2.13 AC_CON_2.14 AC_CON_2.15 AC_CON_2.16 AC_CON_2.17 AC_CON_2.18 AC_CON_2.19 AC_CON_2.20 AIR_CON1.8 AIR_CON1.18 ATS_CON_1.8 ATS_CON_1.10 ATS_CON_1.18 ATS_CON_1.20 ATS_CON_2.1 ATS_CON_2.2 ATS_CON_2.3 ATS_CON_2.7 ATS_CON_2.8 ATS_CON_2.14 ATS_CON_2.15 ATS_CON_2.16 ATS_CON_2.17 ATS_CON_2.18 ATS_CON_2.19 ATS_CON_2.20 CPU_CON_1.8 CPU_CON_1.10 CPU_CON_1.18 CPU_CON_1.20 CPU_CON_2.9 CPU_CON_2.10 CPU_CON_3.11 CPU_CON_3.12 CPU_CON_3.13 CPU_CON_3.14 CPU_CON_3.15 CPU_CON_3.16 DC_CON_1.8 DC_CON_1.10 DC_CON_1.18 DC_CON_1.20 DC_CON_2.1 DC_CON_2.2 DC_CON_2.3 DC_CON_2.4 DC_CON_2.5 DC_CON_2.6 DC_CON_2.7 DC_CON_2.8 DC_CON_2.9 DC_CON_2.10 DC_CON_2.11 DC_CON_2.12 FAN_CON_1.8 FAN_CON_1.10 FAN_CON_1.18 FAN_CON_1.20 OMC1.8 OMC1.10 OMC1.18 OMC1.20 RTC1.1 RTC1.2

## Polygon pours and split planes (outlines as drawn)
GND on Bottom Layer "Keep-Out Layer-No Net" (hatched 90Degree grid 40 track 20, pour order 10): 2659,9130 2659,1796 13178,1796 13212,1796 13212,9130

## Keep-outs
Keep-Out Layer:
  the board outline again, w5.91

## Other copper
Bottom Layer:
  rectangle net PGND: 7360,6320 7720,7160

## Silkscreen, mask and mechanical layers (free items; w line width, h text height)
Top Overlay:
  lines w5.91: 3267.72,2952.76 3937.01,2952.76 3937.01,7795.28 3267.72,7795.28 3267.72,2952.76
  lines w10: 5450,7721 5696,7721 ; 6040,7223 6040,7070 6201,6909
  text "Dau vao do AC" at 11648,9749 h60
  text "Dau vao do DC" at 9800,9522 h60
  text "Dau vao cac cam bien" at 4643,9381 h60
  text "Dau ra quat" at 7100,9380 h60
  text "+12V" at 5222,8905 h60
  text "+12V" at 12151,8898 h60
  text "48VDC" at 8440,8800 h60
  text "+12V" at 4288,8564 h60
  text "+12V" at 9705,8257 h60 r90
  text "Top" at 3512,7933 h80
  text "Smoke dry /  to Water PC1" at 5537,7767 h60
  text "Smoke power /  to Aux1 PC10" at 5262,7415 h60
  text "+5V" at 3336,6184 h60
  text "+5V" at 5422,6179 h60
  text "+12V" at 12620,5876 h60
  text "+12V" at 9819,5862 h60
  text "+5V" at 6076,5720 h60
  text "3.3VDC" at 2738,4510 h60 r270
  text "5VDC" at 2724,3710 h60 r270
  text "12VDC" at 2730,3277 h60 r270
  text "Ban phim" at 4422,1658 h60
  text "Cam bien nhiet do" at 5671,1648 h60
  text "LCD" at 7676,1637 h60

## Dimensions
3267.72,2834.65 to 4015.75,2834.65 on Top Overlay
3110.24,7795.28 to 3149.61,2952.76 on Top Overlay
2691,1799 to 13183,1830 on Top Overlay
3111,2245 to 12830,2106 on Top Overlay
3111,2245 to 2679,1771.65 on Top Overlay
2679,1771.65 to 4250,1798 on Top Overlay
2692,1307 to 5600,2150 on Top Overlay
2695,1251 to 7450,2050 on Top Overlay
2679,9136 to 4585,9659 on Top Overlay
2688,9235 to 5874,9201 on Top Overlay
4598,10190 to 5878,10251 on Top Overlay
2685,9968 to 6359,9645 on Top Overlay
2679,9136 to 2679,1771.65 on Top Overlay
3111,2245 to 3001,8732 on Top Overlay

## Text inside footprints (layer, text, board x,y; h text height)
AC_CON_1: Top Overlay "20" at 8970,4210 h50 r90; Top Overlay "10" at 9070,4210 h50 r90; Top Overlay "1" at 8970,3170 h50 r90; Top Overlay "1" at 8970,3130 h50 r90; Top Overlay "1" at 9090,3170 h50 r90
AC_CON_2: Top Overlay "20" at 8970,7110 h50 r90; Top Overlay "10" at 9070,7110 h50 r90; Top Overlay "1" at 8970,6070 h50 r90; Top Overlay "1" at 8970,6030 h50 r90; Top Overlay "1" at 9090,6070 h50 r90
AIR_CON1: Top Overlay "1" at 5300,3170 h50 r90; Top Overlay "1" at 5180,3130 h50 r90; Top Overlay "1" at 5180,3170 h50 r90; Top Overlay "10" at 5280,4210 h50 r90; Top Overlay "20" at 5180,4210 h50 r90
ATS_CON_1: Top Overlay "1" at 12390,3170 h50 r90; Top Overlay "1" at 12270,3130 h50 r90; Top Overlay "1" at 12270,3170 h50 r90; Top Overlay "10" at 12370,4210 h50 r90; Top Overlay "20" at 12270,4210 h50 r90
ATS_CON_2: Top Overlay "1" at 12390,6070 h50 r90; Top Overlay "1" at 12270,6030 h50 r90; Top Overlay "1" at 12270,6070 h50 r90; Top Overlay "10" at 12370,7110 h50 r90; Top Overlay "20" at 12270,7110 h50 r90
ATS_CON_3: Top Overlay "6" at 11197,8607 h50; Top Overlay "5" at 11197,8507 h50; Top Overlay "2" at 11557,8607 h50; Top Overlay "1" at 11537,8507 h50
CPU_CON_1: Top Overlay "20" at 5870,4210 h50 r90; Top Overlay "10" at 5970,4210 h50 r90; Top Overlay "1" at 5870,3170 h50 r90; Top Overlay "1" at 5870,3130 h50 r90; Top Overlay "1" at 5990,3170 h50 r90
CPU_CON_2: Top Overlay "20" at 5870,6110 h50 r90; Top Overlay "10" at 5970,6110 h50 r90; Top Overlay "1" at 5870,5070 h50 r90; Top Overlay "1" at 5870,5030 h50 r90; Top Overlay "1" at 5990,5070 h50 r90
CPU_CON_3: Top Overlay "20" at 5870,7260 h50 r90; Top Overlay "10" at 5970,7260 h50 r90; Top Overlay "1" at 5870,6220 h50 r90; Top Overlay "1" at 5870,6180 h50 r90; Top Overlay "1" at 5990,6220 h50 r90
DC_CON_1: Top Overlay "20" at 10720,4210 h50 r90; Top Overlay "10" at 10820,4210 h50 r90; Top Overlay "1" at 10720,3170 h50 r90; Top Overlay "1" at 10720,3130 h50 r90; Top Overlay "1" at 10840,3170 h50 r90
DC_CON_2: Top Overlay "20" at 10720,7110 h50 r90; Top Overlay "10" at 10820,7110 h50 r90; Top Overlay "1" at 10720,6070 h50 r90; Top Overlay "1" at 10720,6030 h50 r90; Top Overlay "1" at 10840,6070 h50 r90
DC_CON_3: Top Overlay "2" at 9740,8600 h50; Top Overlay "1" at 9740,8500 h50; Top Overlay "15" at 10600,8500 h50; Top Overlay "16" at 10600,8600 h50
FAN_CON_1: Top Overlay "20" at 7520,4210 h50 r90; Top Overlay "10" at 7620,4210 h50 r90; Top Overlay "1" at 7520,3170 h50 r90; Top Overlay "1" at 7520,3130 h50 r90; Top Overlay "1" at 7640,3170 h50 r90
FAN_CON_2: Top Overlay "20" at 7520,6010 h50 r90; Top Overlay "10" at 7620,6010 h50 r90; Top Overlay "1" at 7520,4970 h50 r90; Top Overlay "1" at 7520,4930 h50 r90; Top Overlay "1" at 7640,4970 h50 r90
FAN_CON_3: Top Overlay "20" at 7520,7310 h50 r90; Top Overlay "10" at 7620,7310 h50 r90; Top Overlay "1" at 7520,6270 h50 r90; Top Overlay "1" at 7520,6230 h50 r90; Top Overlay "1" at 7640,6270 h50 r90
OMC1: Top Overlay "1" at 4240,3178 h50 r90; Top Overlay "1" at 4120,3138 h50 r90; Top Overlay "1" at 4120,3178 h50 r90; Top Overlay "10" at 4220,4218 h50 r90; Top Overlay "20" at 4120,4218 h50 r90
OMC2: Top Overlay "1" at 4009,6675 h50 r90; Top Overlay "1" at 3889,6635 h50 r90; Top Overlay "1" at 3889,6675 h50 r90; Top Overlay "10" at 3989,7715 h50 r90; Top Overlay "20" at 3889,7715 h50 r90
Sensor: Top Overlay "2" at 4613,8572 h50; Top Overlay "1" at 4633,8472 h50; Top Overlay "7" at 5073,8472 h50; Top Overlay "8" at 5073,8572 h50